# Altium PCB F4AIR.PcbDoc
Units mil, origin at the board's own origin, x right, y up, seen from the top; angles counter-clockwise.
Board outline 1941 x 2119 mil, 4 copper layers (Top Layer, Singal, Power, Bottom Layer), stack 23.756 mil thick; 109 components, 84 nets, 410 pads, 182 vias.
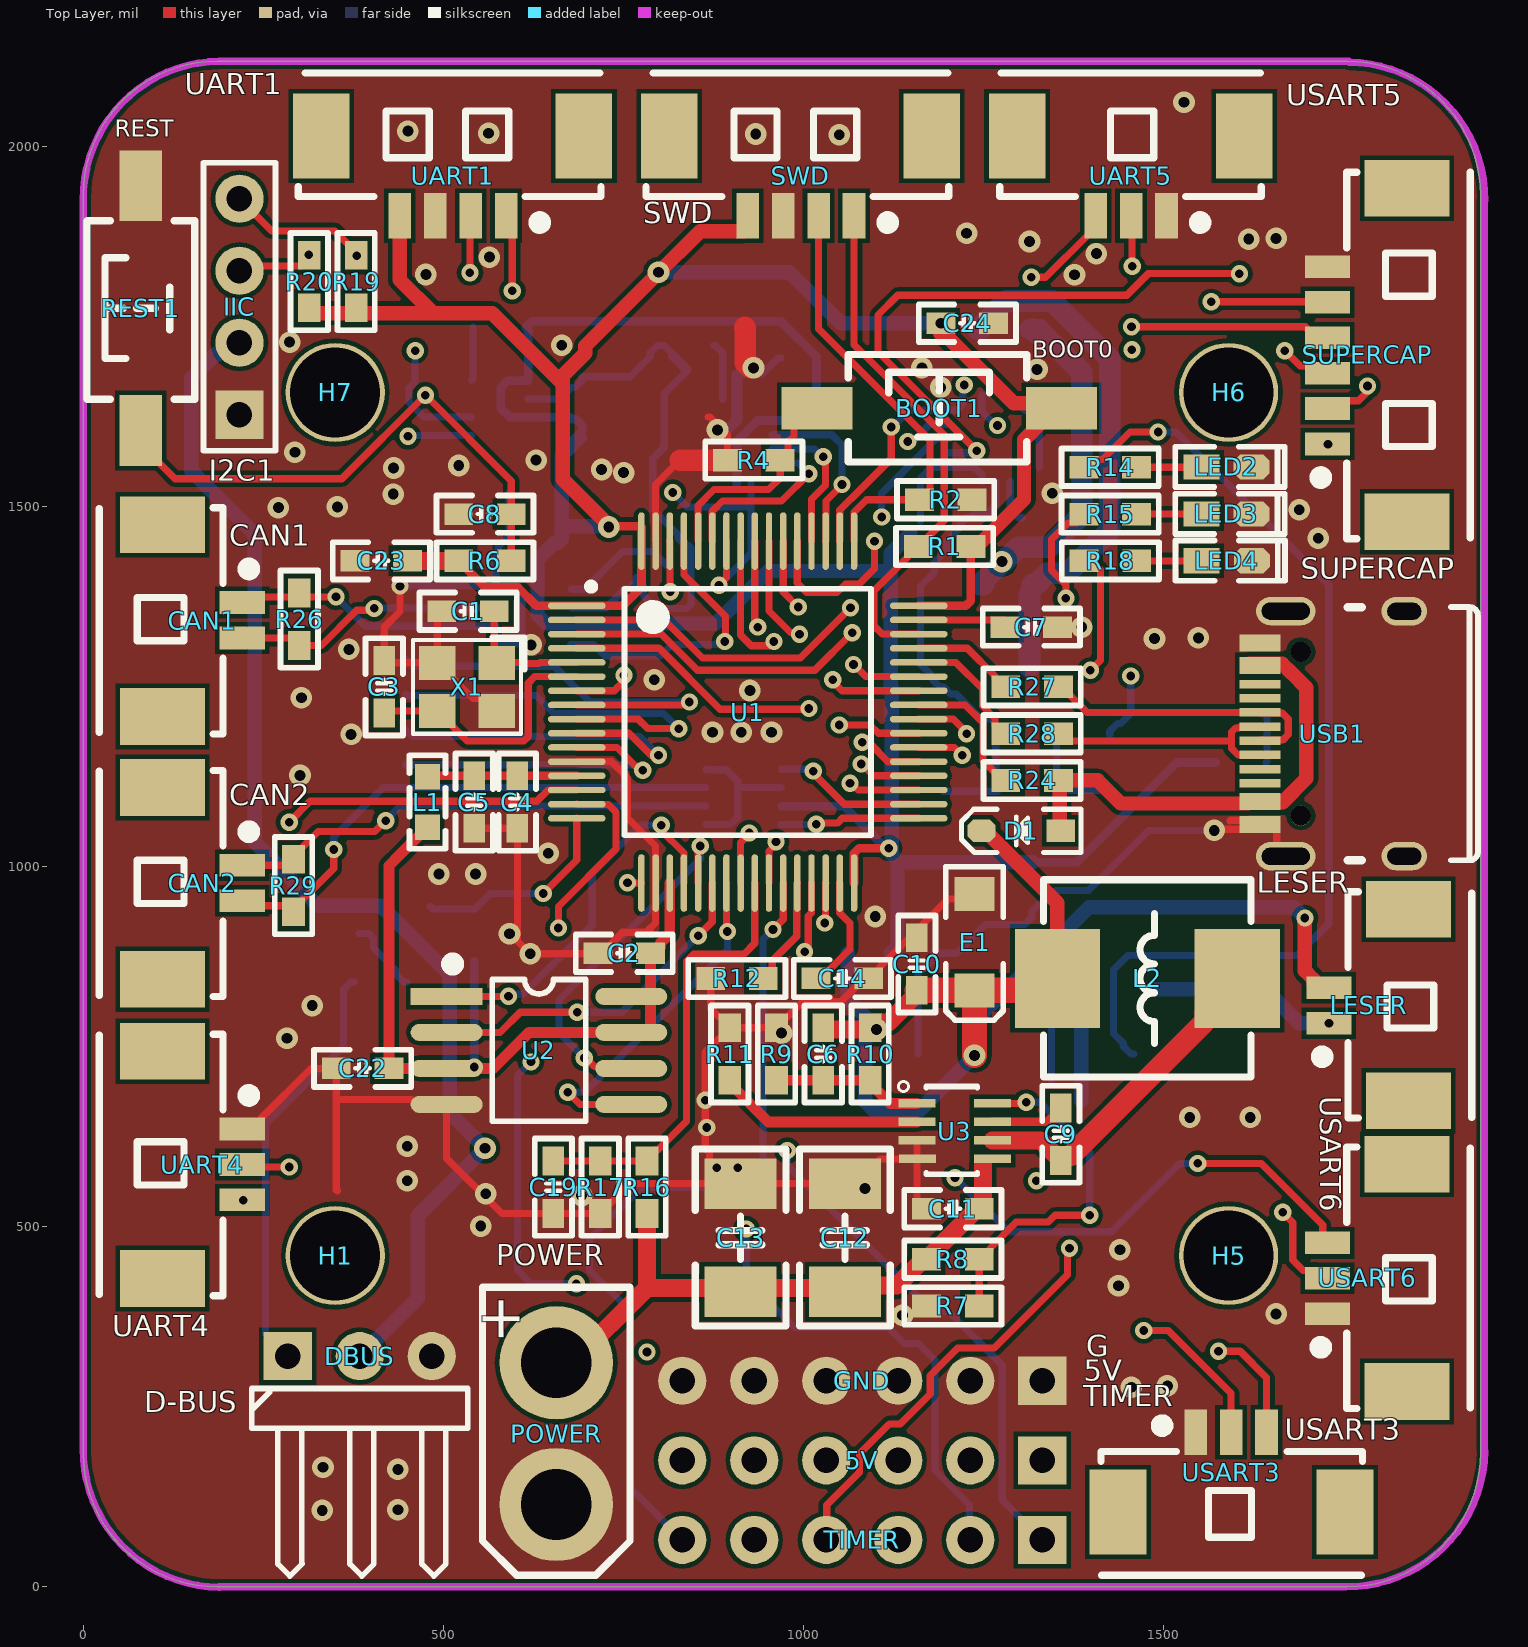
[diagram p0: Top Layer view]
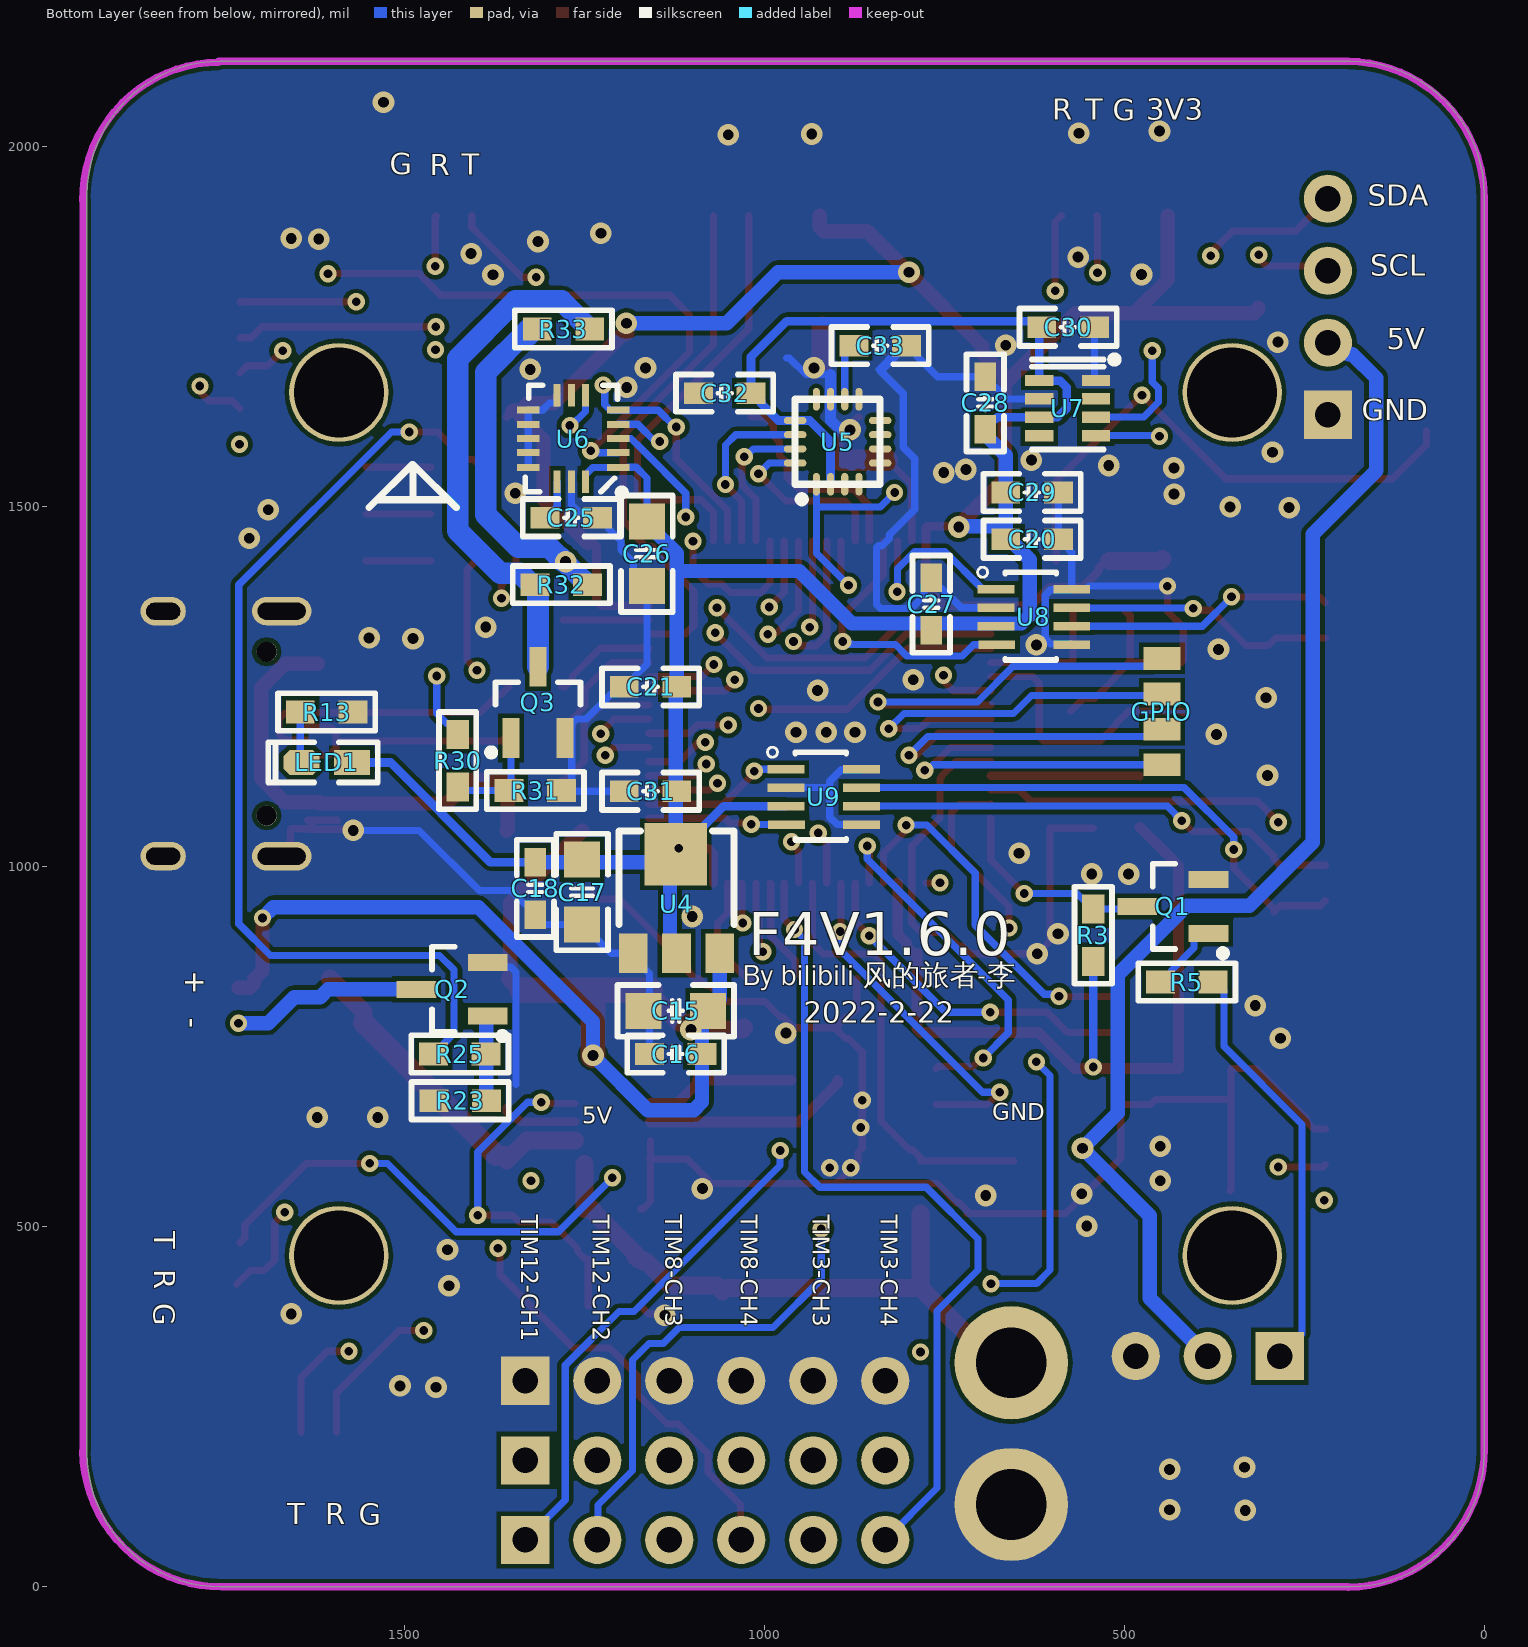
[diagram p1: Bottom Layer view, seen from below]
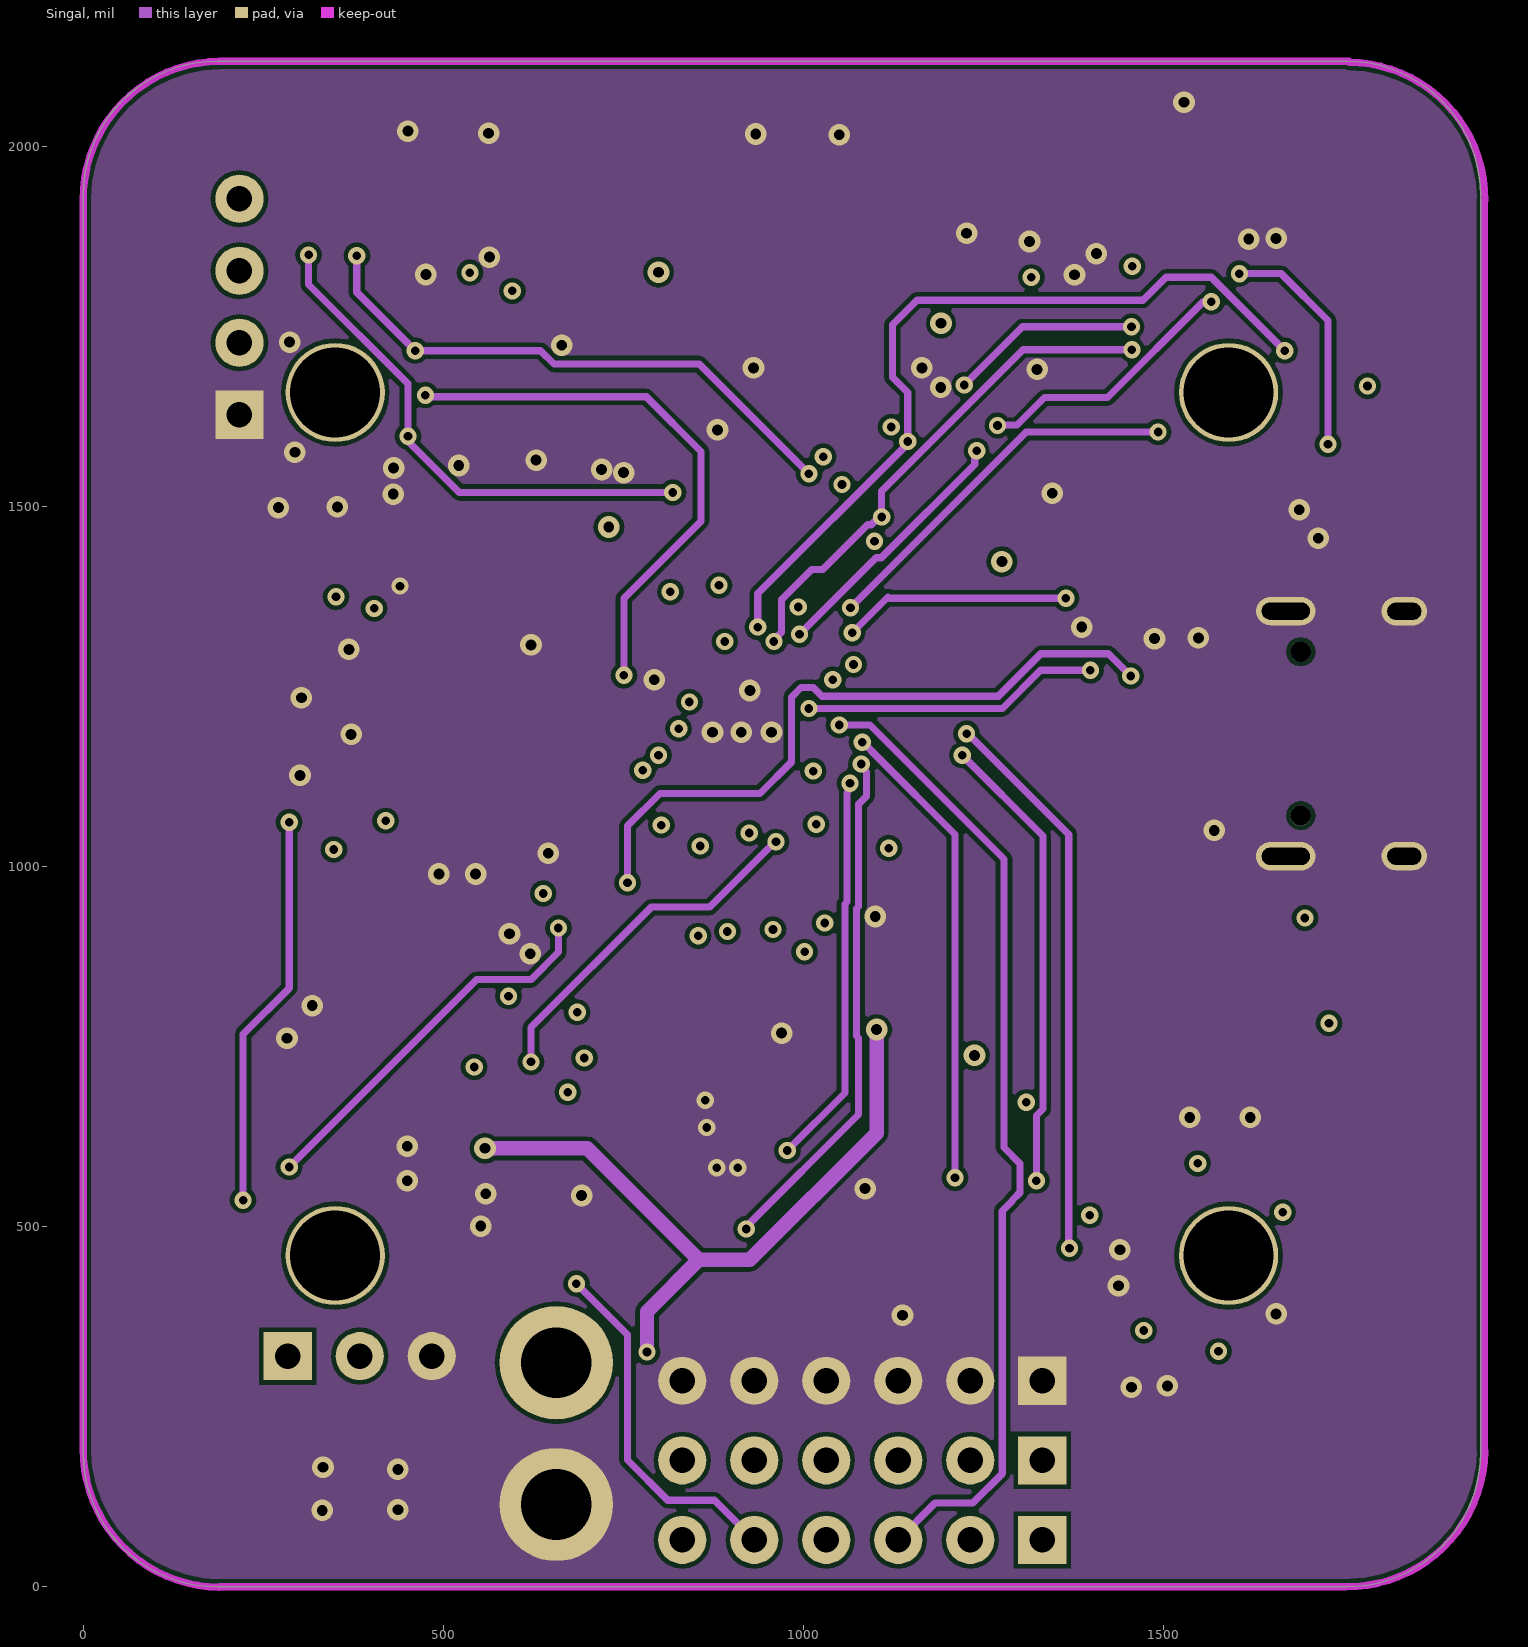
[diagram p2: Singal]
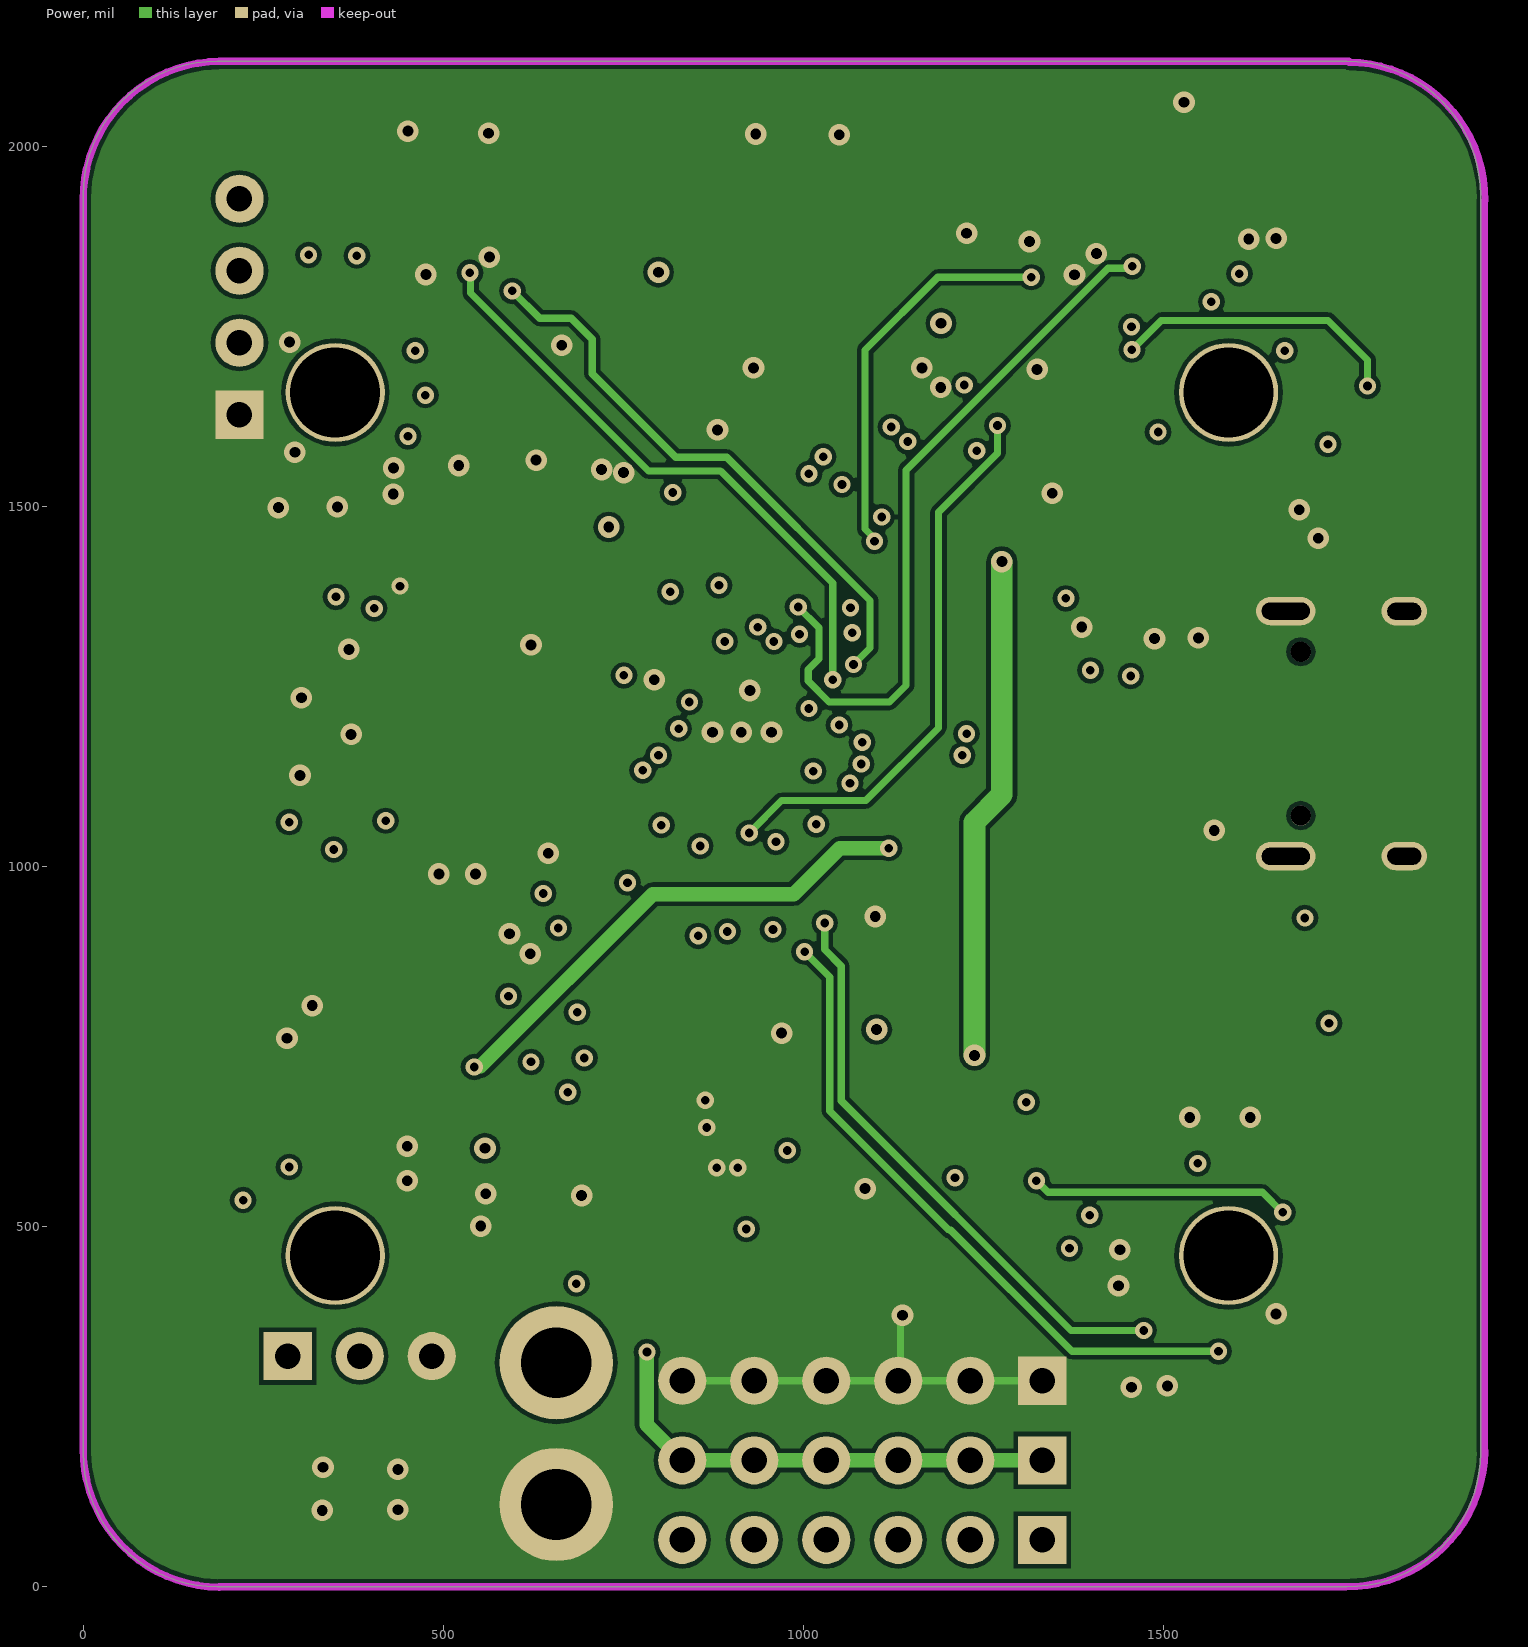
[diagram p3: Power]

## Layer stack, top to bottom
Top Solder: solder mask 0.4, Solder Resist, Dk 3.5
Top Layer: signal copper 1.4
Dielectric 2: prepreg 2.8, PP-006, Dk 4.1
Singal: signal copper 1.378
Dielectric 1: dielectric 12.6, FR-4, Dk 4.8
Power: signal copper 1.378
Dielectric 3: prepreg 2.8, PP-006, Dk 4.1
Bottom Layer: signal copper 1.4
Bottom Solder: solder mask 0.4, Solder Resist, Dk 3.5

## Board outline
0,186 0,1933 cw(c186,1933) 186,2119 1755,2119 cw(c1755,1933) 1941,1933 1941,186 cw(c1755,186) 1755,0 186,0 cw(c186,186)

## Design rules (kind name [scope] priority, off if disabled: settings)
Clearance [All] p1: gap=6 ignorepadtopadclearanceinfootprint=TRUE
PlaneConnect [All] p1: planeconnectstyle=Relief reliefexpansion=20 reliefentries=4 reliefconductorwidth=30 reliefairgap=10
PolygonConnect PolygonConnect_GND [InNet('GND') vs InNet('GND')] p1: connectstyle=Direct reliefconductorwidth=25 reliefentries=4 polygonreliefangle="90 Angle" airgapwidth=10
PolygonConnect [All] p2: connectstyle=Direct reliefconductorwidth=10 reliefentries=4 polygonreliefangle="90 Angle" airgapwidth=10
RoutingVias [All] p1: holewidth=12 width=24 viastyle="Through Hole" minholewidth=10 minwidth=20 maxholewidth=28 maxwidth=50
SolderMaskExpansion SolderMaskExpansion_VIA [IsVia] p1: expansion=4 istentingtop=TRUE
SolderMaskExpansion [All] p2: expansion=4 istentingtop=FALSE
Width Width_POWER [InNet('3.3V') OR InNet('5V') OR InNet('BAT')] p1: maxlimit=100 minlimit=10 preferedwidth=20 toplayer_prefwidth=12 bottomlayer_prefwidth=12 minimp=50.000000 maximp=50.000000 favimp=50.000000
Width [All] p2: maxlimit=50 minlimit=10 preferedwidth=10 minimp=50.000000 maximp=50.000000 favimp=50.000000
29 further rules are at their usual default settings.

## Components (designator, comment, footprint, x,y, rotation, side; value= is the part's Value field where it differs from the comment)
5V "HDR-1X6" HDR2.54-LI-6P 1082,175.5 r180 top
BOOT1 "3x6x5" "TSW SMD-3*6*5" 1189,1637 r0 top
C1 "12pF" "C 0603_M" 534.5,1355 r0 top
C2 "0.1uF" "C 0603_M" 751.5,880 r180 top
C3 "12pF" "C 0603_M" 418,1250 r270 top
C4 "4.7uF" "C 0603_M" 603,1090 r270 top
C5 "0.1uF" "C 0603_M" 543,1090 r270 top
C6 "100pF" "C 0603_M" 1028,740 r270 top
C7 "0.1uF" "C 0603_M" 1317,1333 r0 top
C8 "0.1uF" "C 0603_M" 558,1490 r0 top
C9 "10nF" "C 0603_M" 1358,628.5 r90 top
C10 "0.1uF" "C 0603_M" 1158,865 r90 top
C11 "0.1uF" "C 0603_M" 1208,525 r180 top
C12 "22uF" "C 1210_M" 1058,485 r270 top
C13 "22uF" "C 1210_M" 913,485 r270 top
C14 "2.2uF" "C 0603_M" 1054.5,845 r180 top
C15 "10uF" "C 0805_M" 1123,800 r180 bottom
C16 "0.1uF" "C 0603_M" 1123,740 r0 bottom
C17 "10uF" "C 0805_M" 1253,965 r90 bottom
C18 "0.1uF" "C 0603_M" 1318,970 r270 bottom
C19 "2.2uF" "C 0603_M" 653,555 r270 top
C20 "0.1uF" "C 0603_M" 628,1455 r180 bottom
C21 "0.1uF" "C 0603_M" 1158,1250 r0 bottom
C22 "0.1uF" "C 0603_M" 388,720 r180 top
C23 "0.1uF" "C 0603_M" 414,1425 r180 top
C24 "0.1uF" "C 0603_M" 1228,1755 r0 top
C25 "0.1uF" "C 0603_M" 1268,1485 r180 bottom
C26 "10uF" "C 0805_M" 1163,1435 r90 bottom
C27 "0.1uF" "C 0603_M" 768,1365 r270 bottom
C28 "0.1uF" "C 0603_M" 693,1644.41 r270 bottom
C29 "0.1uF" "C 0603_M" 628,1520 r0 bottom
C30 "0.1uF" "C 0603_M" 578,1749.41 r0 bottom
C31 "0.1uF" "C 0603_M" 1158,1105 r180 bottom
C32 "0.1uF" "C 0603_M" 1055,1658 r180 bottom
C33 "4.7uF" "C 0603_M" 839,1724 r0 bottom
CAN1 "PAD-2P" "MX 1.25-WS-2P" 110,1342 r270 top
CAN2 "PAD-2P" "MX 1.25-WS-2P" 110,977 r270 top
D1 "B5819WS" SOD-323 1302.88,1050 r180 top
DBUS "PAD-3P" HDR2.54-WI-3P 384,320.33 r0 top
E1 "47uF/10V" "CD A(3216)" 1238,895 r90 top
GND "HDR-1X6" HDR2.54-LI-6P 1082,286 r180 top
GPIO "PAD-4P" PAD-1.25-4P 453,1215 r270 bottom
H1 "M3固定孔" M3x4_N 350,460 r0 top
H5 "M3固定孔" M3x4_N 1591,460 r180 top
H6 "M3固定孔" M3x4_N 1591,1659 r180 top
H7 "M3固定孔" M3x4_N 350,1659 r0 top
IIC "HDR-1X4" HDR2.54-LI-4P 217,1778 r90 top
L1 "10uH" "L 0603" 478,1090 r90 top
L2 "6.8uH" L-SMD-0630 1478,845 r180 top
LED1 "黄色" "LED 0603Y" 1608,1145 r0 bottom
LED2 "红色" "LED 0603R" 1588.01,1555.26 r0 top
LED3 "绿色" "LED 0603G" 1588.01,1490 r0 top
LED4 "蓝色" "LED 0603B" 1588.26,1425 r0 top
LESER "PAD-2P" "MX 1.25-WS-2P" 1841,808 r90 top
POWER "XT30" XT30-L 657,311.06 r270 top
Q1 "SS8050" SOT23-3M 383,945 r90 bottom
Q2 "SS8050" SOT23-3M 1384.03,829.89 r90 bottom
Q3 "AO3400A" SOT23-3M 1314.4,1179 r180 bottom
R1 "10K/NC" "R 0603_M" 1196.5,1445 r180 top
R2 "10K/NC" "R 0603_M" 1198,1510 r180 top
R3 "4.7K" "R 0603_M" 543,905 r270 bottom
R4 "10K" "R 0603_M" 931.5,1565 r180 top
R5 "4.7K" "R 0603_M" 413,840 r0 bottom
R6 "10K" "R 0603_M" 558,1425 r180 top
R7 "1M" "R 0603_M" 1208,390 r180 top
R8 "10K" "R 0603_M" 1208,455 r0 top
R9 "13.7K" "R 0603_M" 963,740 r90 top
R10 "100K" "R 0603_M" 1093,740 r270 top
R11 "200K" "R 0603_M" 898,740 r90 top
R12 "10K" "R 0603_M" 908,845 r0 top
R13 "1.5K" "R 0603_M" 1608,1215 r180 bottom
R14 "1.5K" "R 0603_M" 1426.5,1555 r180 top
R15 "1.5K" "R 0603_M" 1426.5,1490 r180 top
R16 "82K" "R 0603_M" 783,555 r90 top
R17 "10K" "R 0603_M" 718,555 r270 top
R18 "1.5K" "R 0603_M" 1426.76,1425 r180 top
R19 "4.7K" "R 0603_M" 379,1813 r90 top
R20 "4.7K" "R 0603_M" 314,1813 r270 top
R23 "10K" "R 0603_M" 1422.5,675 r180 bottom
R24 "560R" "R 0603_M" 1318,1120 r0 top
R25 "510R" "R 0603_M" 1423,740 r180 bottom
R26 "120R" "R 0603_M" 300,1344 r270 top
R27 "22R" "R 0603_M" 1318,1250 r0 top
R28 "22R" "R 0603_M" 1318,1185 r0 top
R29 "120R" "R 0603_M" 292,974 r270 top
R30 "1K" "R 0603_M" 1426,1147.5 r270 bottom
R31 "10K" "R 0603_M" 1318,1106 r0 bottom
R32 "22R" "R 0603_M" 1282,1392 r0 bottom
R33 "22R" "R 0603_M" 1279,1747 r180 bottom
REST1 "3x6x5" "TSW SMD-3*6*5" 80,1776 r90 top
SUPERCAP "HDR-1X8" "MX 1.25-WS-6P" 1839,1711 r90 top
SWD "HDR-1X4" "MX 1.25-WS-4P" 996.3,2015 r180 top
TIMER "HDR-1X6" HDR2.54-LI-6P 1082,65 r180 top
U1 "STM32F405RGT6" LQFP64 923,1215 r0 top
U2 "W25Q128" "SOP8_M - 208mil" 633,745 r0 top
U3 "SY8303AIC" SOT23-8 1158,671.33 r90 top
U4 "AMS1117-3V3" SOT-89 1120.1,880.47 r180 bottom
U5 "IST8310" "LGA16 3x3" 898.32,1590.61 r90 bottom
U6 "ICM20602" LGA16 1268,1595 r0 bottom
U7 "SPL06-001" LGA08 578.63,1629.72 r0 bottom
U8 "MAX3051EKA+T" SOT23-8 678,1385.67 r90 bottom
U9 "MAX3051EKA+T" SOT23-8 970,1135.67 r90 bottom
UART1 "HDR-1X4" "MX 1.25-WS-4P" 513,2015 r180 top
UART4 "HDR-1X3" "MX 1.25-WS-3P" 110,586 r270 top
UART5 "HDR-1X3" "MX 1.25-WS-3P" 1455,2015 r180 top
USART3 "HDR-1X3" "MX 1.25-WS-3P" 1595,103.78 r0 top
USART6 "HDR-1X3" "MX 1.25-WS-3P" 1839,429 r90 top
USB1 "TYPE-C_16P" Type-C_16p 1835,1184.92 r90 top
X1 "8MHz" "OSC 3225-4P" 533,1250 r180 top

## Footprints (in the part's own frame and the unit in brackets; to place one, negate y for a bottom-side part, rotate by r counter-clockwise, add the part's x,y. Pads: shape width x height; smd on the part's side, far side on the other; paste and mask are expansions set on the pad)
"C 0603_M" [mil] "无极性贴片电容"
  rect 40x30 smd: 1(-36.5,0) 2(36.5,0)
  silkscreen extent -68,-26 68,26, body extent -31,-16 31,16, height 32
"C 0805_M" [mil] "无极性贴片电容"
  rect 50x50 smd: 1(-45,0) 2(45,0)
  silkscreen extent -81,-36 81,36, body extent -39,-24 39,24, height 20
"C 1210_M" [mil] "无极性贴片电容"
  rect 70x100 smd: 1(-75,0) 2(75,0)
  silkscreen extent -123,-63 123,63, body extent -63,-51 63,51, height 60
"CD A(3216)" [mm] "长3.2mm，宽1.6mm，厚1.6mm"
  rect 1.2x1.4 smd: 1(-1.7,0) 2(1.7,0)
  silkscreen extent -2.74,-1.02 2.67,1.02, body extent -1.6,-0.8 1.6,0.8, height 1.6
HDR2.54-LI-4P [mm] "排针，4脚"
  rect 1.7x1.7 hole 0.9: 1(-3.81,0)
  round 1.7 hole 0.9: 2(-1.27,0) 3(1.27,0) 4(3.81,0)
  silkscreen extent -5.08,-1.27 5.08,1.27, body extent -5.08,-1.27 5.08,1.27, height 8.5
HDR2.54-LI-6P [mm] "排针，6脚"
  rect 1.7x1.7 hole 0.9: 1(-6.35,0)
  round 1.7 hole 0.9: 2(-3.81,0) 3(-1.27,0) 4(1.27,0) 5(3.81,0) 6(6.35,0)
  body extent -7.62,-1.27 7.62,1.27, height 8.5
HDR2.54-WI-3P [mm] "弯脚排针，3脚"
  rect 1.7x1.7 hole 0.9: 1(-2.54,0)
  round 1.7 hole 0.9: 2(0,0) 3(2.54,0)
  silkscreen extent -3.81,-7.76 3.81,-1.14, body extent -3.81,-7.77 3.81,1.27, height 4.85
"L 0603" [mil] "小功率贴片电感"
  rect 35x35 smd: 1(-35,0) 2(35,0)
  silkscreen extent -65,-25 65,25, body extent -31,-16 31,16, height 31
L-SMD-0630 [mm] "一体化成型电感"
  rect 3x3.5 smd: 1(-3.175,0) 2(3.175,0)
  silkscreen extent -3.66,-3.48 3.66,3.48, body extent -3.47,-3.3 3.47,3.3, height 3.05
"LED 0603B" [mil] "蓝色0603LED"
  rect 50x35 smd: 1(-35,0.26)
  oct 50x35 smd: 2(35,0.26)
  silkscreen extent -71,-28 81,28, body extent -31,-16 32,16, height 24
"LED 0603G" [mil] "绿色0603LED"
  rect 50x35 smd: 1(-35,0.26)
  oct 50x35 smd: 2(35,0.26)
  silkscreen extent -71,-28 81,28, body extent -31,-16 32,16, height 18
"LED 0603R" [mil] "红色0603LED"
  rect 50x35 smd: 1(-35,0.26)
  oct 50x35 smd: 2(35,0.26)
  silkscreen extent -71,-28 81,28, body extent -31,-16 31,16, height 18
"LED 0603Y" [mil] "黄色0603LED"
  rect 50x35 smd: 1(-35,0)
  oct 50x35 smd: 2(35,0)
  silkscreen extent -71,-28 81,28, body extent -31,-16 31,16, height 24
LGA08 [mm]
  rect 1x0.4 smd: 1(-1,-1.165) 2(-1,-0.515) 3(-1,0.135) 4(-1,0.785) 5(1,0.785) 6(1,0.135) 7(1,-0.515) 8(1,-1.165)
  silkscreen extent -1.78,-2.03 1.27,1.27, body extent -1.26,-1.6 1.2,1.22, height 0.75
LGA16 [mm] "3mm*3mm（蒜米工坊）"
  rect 0.8x0.25 smd: 1(-1.651,1.02) 2(-1.651,0.5) 3(-1.651,0) 4(-1.651,-0.5) 5(-1.651,-1) 9(1.524,-1) 10(1.524,-0.5) 11(1.524,0) 12(1.524,0.5) 13(1.524,1.02)
  rect 0.25x0.8 smd: 6(-0.5,-1.524) 7(0,-1.524) 8(0.5,-1.524) 14(0.5,1.524) 15(0,1.524) 16(-0.5,1.524)
  silkscreen extent -1.9,-1.88 1.63,2.03, body extent -1.55,-1.52 1.49,1.52, height 0.9
"LGA16 3x3" [mm]
  oval 0.8x0.25 smd: 1(-1.504,0.745) 2(-1.504,0.245) 3(-1.504,-0.255) 4(-1.504,-0.755) 9(1.496,-0.755) 10(1.496,-0.255) 11(1.496,0.245) 12(1.496,0.745)
  oval 0.25x0.8 smd: 5(-0.754,-1.505) 6(-0.254,-1.505) 7(0.246,-1.505) 8(0.746,-1.505) 13(0.746,1.495) 14(0.246,1.495) 15(-0.254,1.495) 16(-0.754,1.495)
  silkscreen extent -2.16,-1.51 1.5,1.49, body extent -1.55,-1.52 1.49,1.52, height 0.9
LQFP64 [mil]
  oval 80x9 smd: 1(-237.52,147.64) 2(-237.52,127.95) 3(-237.52,108.27) 4(-237.52,88.58) 5(-237.52,68.9) 6(-237.52,49.21) 7(-237.52,29.53) 8(-237.52,9.84) 9(-237.52,-9.84) 10(-237.52,-29.53) 11(-237.52,-49.21) 12(-237.52,-68.9) 13(-237.52,-88.58) 14(-237.52,-108.27) 15(-237.52,-127.95) 16(-237.52,-147.64) 33(237.52,-147.64) 34(237.52,-127.95) 35(237.52,-108.27) 36(237.52,-88.58) 37(237.52,-68.9) 38(237.52,-49.21) 39(237.52,-29.53) 40(237.52,-9.84) 41(237.52,9.84) 42(237.52,29.53) 43(237.52,49.21) 44(237.52,68.9) 45(237.52,88.58) 46(237.52,108.27) 47(237.52,127.95) 48(237.52,147.64)
  oval 9x80 smd: 17(-147.64,-237.52) 18(-127.95,-237.52) 19(-108.27,-237.52) 20(-88.58,-237.52) 21(-68.9,-237.52) 22(-49.21,-237.52) 23(-29.53,-237.52) 24(-9.84,-237.52) 25(9.84,-237.52) 26(29.53,-237.52) 27(49.21,-237.52) 28(68.9,-237.52) 29(88.58,-237.52) 30(108.27,-237.52) 31(127.95,-237.52) 32(147.64,-237.52) 49(147.64,237.52) 50(127.95,237.52) 51(108.27,237.52) 52(88.58,237.52) 53(68.9,237.52) 54(49.21,237.52) 55(29.53,237.52) 56(9.84,237.52) 57(-9.84,237.52) 58(-29.53,237.52) 59(-49.21,237.52) 60(-68.9,237.52) 61(-88.58,237.52) 62(-108.27,237.52) 63(-127.95,237.52) 64(-147.64,237.52)
  silkscreen extent -222,-171 171,179, body extent -236,-236 236,236, height 63
M3x4_N [mm] "M3铜柱，长：4mm"
  round 3.5 hole 3.175: 1(0,0)
"MX 1.25-WS-2P" [mm] "长：7.65mm，宽：4.2mm，高：3.4mm"
  rect 2x3 smd: 0(-3.382,0) 0(3.382,0)
  rect 0.8x1.6 smd: 1(-0.639,2.811) 2(0.611,2.811)
  silkscreen extent -3.98,-2.23 4,3.25, body extent -3.83,-2.1 3.83,3.09, height 3.4
"MX 1.25-WS-3P" [mm] "长：8.9mm，宽：4.2mm，高：3.4mm"
  rect 2x3 smd: 0(-4.007,0) 0(4.007,0)
  rect 0.8x1.6 smd: 1(-1.264,2.811) 2(-0.014,2.811) 3(1.236,2.811)
  silkscreen extent -4.61,-2.23 4.62,3.25, body extent -4.45,-2.1 4.45,3.09, height 3.4
"MX 1.25-WS-4P" [mm] "长：10.15mm，宽：4.2mm，高：3.4mm"
  rect 2x3 smd: 0(-4.632,0) 0(4.632,0)
  rect 0.8x1.6 smd: 1(-1.889,2.811) 2(-0.639,2.811) 3(0.611,2.811) 4(1.861,2.811)
  silkscreen extent -5.23,-2.23 5.45,3.25, body extent -5.07,-2.1 5.07,3.09, height 3.4
"MX 1.25-WS-6P" [mm] "长：12.65mm，宽：4.2mm，高：3.4mm"
  rect 2x3 smd: 0(-5.882,0) 0(5.882,0)
  rect 0.8x1.6 smd: 1(-3.139,2.811) 2(-1.889,2.811) 3(-0.639,2.811) 4(0.611,2.811) 5(1.861,2.811) 6(3.111,2.811)
  silkscreen extent -6.48,-2.23 6.45,3.25, body extent -6.32,-2.1 6.32,3.09, height 3.4
"OSC 3225-4P" [mm] "3.2*2.5*0.7mm(长宽高)"
  rect 1.3x1.2 smd: 1(-1.05,-0.85) 2(1.05,-0.85) 3(1.05,0.85) 4(-1.05,0.85)
  silkscreen extent -2.03,-1.75 1.91,1.65, body extent -1.6,-1.25 1.6,1.25, height 0.7
PAD-1.25-4P [mm]
  rect 0.8x1.3 smd: 1(-1.889,0.134) 2(-0.639,0.134) 3(0.611,0.134) 4(1.861,0.134)
"R 0603_M" [mil] "1/10W贴片电阻"
  rect 40x31.5 smd: 1(-36.5,0) 2(36.5,0)
  silkscreen extent -68,-26 68,26, body extent -31,-16 32,16, height 16
SOD-323 [mm] "1.8x1.3X0.9mm（长宽高，不包括引脚）"
  rect 1x0.8 smd: 1(-1.4,0)
  oct 1x0.8 smd: 2(1.4,0)
  silkscreen extent -2.11,-0.76 2.11,0.76, body extent -1.34,-0.63 1.31,0.67, height 1
"SOP8_M - 208mil" [mm]
  rect 2.54x0.6 smd: 1(-3.258,1.905)
  oval 2.54x0.6 smd: 2(-3.258,0.635) 3(-3.258,-0.635) 4(-3.258,-1.905) 5(3.258,-1.905) 6(3.258,-0.635) 7(3.258,0.635) 8(3.258,1.905)